# KiCad board tklc_v1_rgb_LP.kicad_pcb (continued)
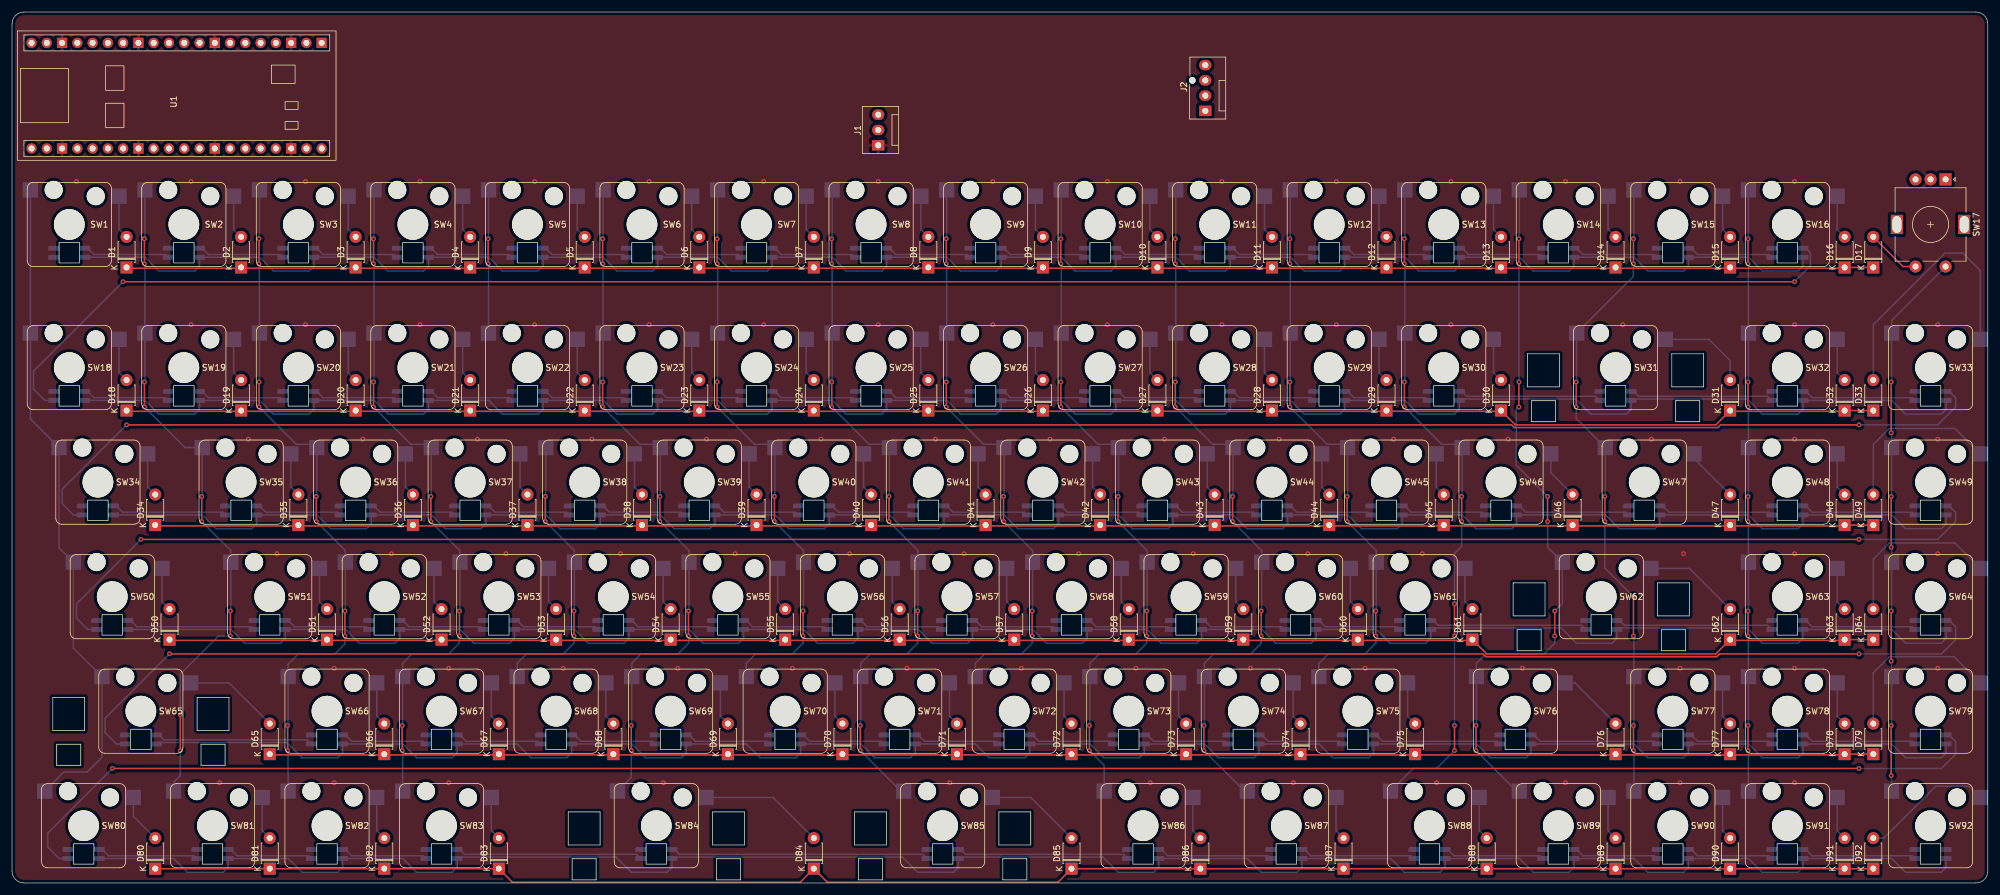
[diagram p0: board, top side]
## Routing (per net, layer and track width the routed paths; a pad name or vN(x,y) marks a point on that pad's centre or on a via; arc(x,y) is an arc through that point) (continued)
Net-(D92-Pad2): length 22.2
  Bottom w0.25: SW92.1 325.49,16.1 319.96,16.1 311.32,7.46 309.56,7.46
Net-(SW1-Pad5): length 14
  Bottom w0.25: 12.58,105.59 13.63,104.54 25.53,104.54 SW2.4
Net-(SW2-Pad5): length 14
  Bottom w0.25: 31.63,105.59 32.68,104.54 44.58,104.54 SW3.4
Net-(SW3-Pad5): length 14
  Bottom w0.25: SW4.4 63.63,104.54 51.73,104.54 50.68,105.59
Net-(SW4-Pad5): length 14
  Bottom w0.25: 69.73,105.59 70.78,104.54 82.68,104.54 SW5.4
Net-(SW5-Pad5): length 14
  Bottom w0.25: SW6.4 101.73,104.54 89.83,104.54 88.78,105.59
Net-(SW6-Pad5): length 14
  Bottom w0.25: 107.83,105.59 108.88,104.54 120.78,104.54 SW7.4
Net-(SW7-Pad5): length 14
  Bottom w0.25: 126.88,105.59 127.93,104.54 139.83,104.54 SW8.4
Net-(SW8-Pad5): length 14
  Bottom w0.25: SW9.4 158.88,104.54 146.98,104.54 145.93,105.59
Net-(SW10-Pad4): length 14
  Bottom w0.25: 164.98,105.59 166.03,104.54 177.93,104.54 SW10.4
Net-(SW10-Pad5): length 14
  Bottom w0.25: 184.03,105.59 185.08,104.54 196.98,104.54 SW11.4
Net-(SW11-Pad5): length 14
  Bottom w0.25: 203.08,105.59 204.13,104.54 216.03,104.54 SW12.4
Net-(SW12-Pad5): length 14
  Bottom w0.25: SW13.4 235.08,104.54 223.18,104.54 222.13,105.59
Net-(SW13-Pad5): length 14
  Bottom w0.25: SW14.4 254.13,104.54 242.23,104.54 241.18,105.59
Net-(SW14-Pad5): length 14
  Bottom w0.25: SW15.4 273.18,104.54 261.28,104.54 260.23,105.59
Net-(SW15-Pad5): length 14
  Bottom w0.25: SW16.4 292.23,104.54 280.33,104.54 279.28,105.59
Net-(SW16-Pad5): length 313.1
  Top w0.25: v1(18.45,100.01) v1(296.47,100.01)
  Bottom w0.25: 298.37,105.59 299.1,104.85 299.1,102.65 v1(296.47,100.01) ; SW18.4 5.45,80.28 3.57,82.15 3.57,85.13 v1(18.45,100.01)
Net-(SW18-Pad5): length 14
  Bottom w0.25: SW19.4 25.53,80.72 13.63,80.72 12.58,81.78
Net-(SW19-Pad5): length 14
  Bottom w0.25: 31.63,81.78 32.68,80.72 44.58,80.72 SW20.4
Net-(SW20-Pad5): length 14
  Bottom w0.25: 50.68,81.78 51.73,80.72 63.63,80.72 SW21.4
Net-(SW21-Pad5): length 14
  Bottom w0.25: 69.73,81.78 70.78,80.72 82.68,80.72 SW22.4
Net-(SW22-Pad5): length 14
  Bottom w0.25: SW23.4 101.73,80.72 89.83,80.72 88.78,81.78
Net-(SW23-Pad5): length 14
  Bottom w0.25: 107.83,81.78 108.88,80.72 120.78,80.72 SW24.4
Net-(SW24-Pad5): length 14
  Bottom w0.25: SW25.4 139.83,80.72 127.93,80.72 126.88,81.78
Net-(SW25-Pad5): length 14
  Bottom w0.25: 145.93,81.78 146.98,80.72 158.88,80.72 SW26.4
Net-(SW26-Pad5): length 14
  Bottom w0.25: 164.98,81.78 166.03,80.72 177.93,80.72 SW27.4
Net-(SW27-Pad5): length 14
  Bottom w0.25: 184.03,81.78 185.08,80.72 196.98,80.72 SW28.4
Net-(SW28-Pad5): length 14
  Bottom w0.25: 203.08,81.78 204.13,80.72 216.03,80.72 SW29.4
Net-(SW29-Pad5): length 14
  Bottom w0.25: 222.13,81.78 223.18,80.72 235.08,80.72 SW30.4
Net-(SW30-Pad5): length 24
  Bottom w0.25: SW30.5 241.14,81.78 241.95,80.96 263.41,80.96 SW31.4
Net-(SW31-Pad5): length 24
  Bottom w0.25: SW31.5 269.71,81.78 270.52,80.96 291.99,80.96 SW32.4
Net-(SW32-Pad5): length 18.8
  Bottom w0.25: SW33.4 316.04,80.72 299.38,80.72 298.33,81.78
Net-(SW33-Pad5): length 330.5
  Top w0.25: v1(19.05,76.2) 249.4,76.2 249.85,75.75 283.71,75.75 284.16,76.2 v1(307.18,76.2)
  Bottom w0.25: v1(19.05,76.2) 8.33,65.48 8.33,63.1 10.21,61.23 SW34.4 ; 322.18,81.78 323.26,80.7 323.26,79.18 320.28,76.2 v1(307.18,76.2)
Net-(SW34-Pad5): length 18.8
  Bottom w0.25: SW35.4 35.05,61.67 18.4,61.67 17.35,62.73
Net-(SW35-Pad5): length 14
  Bottom w0.25: 41.16,62.73 42.21,61.67 54.1,61.67 SW36.4
Net-(SW36-Pad5): length 14
  Bottom w0.25: SW37.4 73.15,61.67 61.26,61.67 60.21,62.73
Net-(SW37-Pad5): length 14
  Bottom w0.25: 79.26,62.73 80.31,61.67 92.2,61.67 SW38.4
Net-(SW38-Pad5): length 14
  Bottom w0.25: 98.31,62.73 99.36,61.67 111.25,61.67 SW39.4
Net-(SW39-Pad5): length 14
  Bottom w0.25: SW40.4 130.3,61.67 118.41,61.67 117.36,62.73
Net-(SW40-Pad5): length 14
  Bottom w0.25: 136.41,62.73 137.46,61.67 149.35,61.67 SW41.4
Net-(SW41-Pad5): length 14
  Bottom w0.25: SW42.4 168.4,61.67 156.51,61.67 155.46,62.73
Net-(SW42-Pad5): length 14
  Bottom w0.25: SW43.4 187.45,61.67 175.56,61.67 174.51,62.73
Net-(SW43-Pad5): length 14
  Bottom w0.25: SW44.4 206.5,61.67 194.61,61.67 193.56,62.73
Net-(SW44-Pad5): length 14
  Bottom w0.25: 212.61,62.73 213.66,61.67 225.55,61.67 SW45.4
Net-(SW45-Pad5): length 14
  Bottom w0.25: 231.66,62.73 232.71,61.67 244.6,61.67 SW46.4
Net-(SW46-Pad5): length 18.8
  Bottom w0.25: SW47.4 268.41,61.67 251.76,61.67 250.71,62.73
Net-(SW47-Pad5): length 18.8
  Bottom w0.25: 274.52,62.73 275.57,61.67 292.23,61.67 SW48.4
Net-(SW48-Pad5): length 18.8
  Bottom w0.25: SW49.4 316.04,61.67 299.38,61.67 298.33,62.73
Net-(SW49-Pad5): length 327.8
  Top w0.25: v1(307.18,57.15) v1(21.43,57.15)
  Bottom w0.25: v1(307.18,57.15) 320.28,57.15 323.26,60.13 323.26,61.65 322.18,62.73 ; v1(21.43,57.15) 10.72,46.43 10.72,44.05 12.59,42.18 SW50.4
Net-(SW50-Pad5): length 21.6
  Bottom w0.25: SW51.4 39.81,42.62 20.78,42.62 19.73,43.68 19.27,43.68
Net-(SW51-Pad5): length 14.5
  Bottom w0.25: SW51.5 45.92,43.68 46.97,42.62 58.86,42.62 SW52.4
Net-(SW52-Pad5): length 14.5
  Bottom w0.25: SW53.4 77.91,42.62 66.02,42.62 64.97,43.68 SW52.5
Net-(SW53-Pad5): length 14.5
  Bottom w0.25: SW54.4 96.96,42.62 85.07,42.62 84.02,43.68 SW53.5
Net-(SW54-Pad5): length 14.5
  Bottom w0.25: SW54.5 103.07,43.68 104.12,42.62 116.01,42.62 SW55.4
Net-(SW55-Pad5): length 14.5
  Bottom w0.25: SW56.4 135.06,42.62 123.17,42.62 122.12,43.68 SW55.5
Net-(SW56-Pad5): length 14.5
  Bottom w0.25: SW56.5 141.17,43.68 142.22,42.62 154.11,42.62 SW57.4
Net-(SW57-Pad5): length 14.5
  Bottom w0.25: SW58.4 173.16,42.62 161.27,42.62 160.22,43.68 SW57.5
Net-(SW58-Pad5): length 14.5
  Bottom w0.25: SW59.4 192.21,42.62 180.32,42.62 179.27,43.68 SW58.5
Net-(SW59-Pad5): length 14.5
  Bottom w0.25: SW59.5 198.32,43.68 199.37,42.62 211.26,42.62 SW60.4
Net-(SW60-Pad5): length 14.5
  Bottom w0.25: SW60.5 217.37,43.68 218.42,42.62 230.31,42.62 SW61.4
Net-(SW61-Pad5): length 26.4
  Bottom w0.25: SW62.4 261.03,42.86 237.19,42.86 236.37,43.68 SW61.5
Net-(SW62-Pad5): length 26.4
  Bottom w0.25: SW63.4 291.99,42.86 268.14,42.86 267.33,43.68 SW62.5
Net-(SW63-Pad5): length 19.2
  Bottom w0.25: SW64.4 316.04,42.62 299.38,42.62 298.33,43.68 SW63.5
Net-(SW64-Pad5): length 323.8
  Top w0.25: v1(307.18,38.1) 284,38.1 283.55,37.65 245.08,37.65 244.63,38.1 26.22,38.1 v1(26.19,38.13)
  Bottom w0.25: v1(26.19,38.13) 26.19,38.1 15.48,27.38 15.48,25 17.36,23.13 SW65.4 ; 322.18,43.68 323.26,42.6 323.26,40.48 320.87,38.1 v1(307.18,38.1)
Net-(SW65-Pad5): length 26.4
  Bottom w0.25: SW66.4 49.1,23.81 25.26,23.81 24.44,24.63 SW65.5
Net-(SW66-Pad5): length 14.5
  Bottom w0.25: SW67.4 68.39,23.57 56.5,23.57 55.45,24.63 SW66.5
Net-(SW67-Pad5): length 14.5
  Bottom w0.25: SW68.4 87.44,23.57 75.55,23.57 74.5,24.63 SW67.5
Net-(SW68-Pad5): length 14.5
  Bottom w0.25: SW69.4 106.49,23.57 94.6,23.57 93.55,24.63 SW68.5
Net-(SW69-Pad5): length 14.5
  Bottom w0.25: SW70.4 125.54,23.57 113.65,23.57 112.6,24.63 SW69.5
Net-(SW70-Pad5): length 14.5
  Bottom w0.25: SW71.4 144.59,23.57 132.7,23.57 131.65,24.63 SW70.5
Net-(SW71-Pad5): length 14.5
  Bottom w0.25: SW71.5 150.7,24.63 151.75,23.57 163.64,23.57 SW72.4
Net-(SW72-Pad5): length 14.5
  Bottom w0.25: SW73.4 182.69,23.57 170.8,23.57 169.75,24.63 SW72.5
Net-(SW73-Pad5): length 14.5
  Bottom w0.25: SW73.5 188.8,24.63 189.85,23.57 201.74,23.57 SW74.4
Net-(SW74-Pad5): length 14.5
  Bottom w0.25: SW75.4 220.79,23.57 208.9,23.57 207.85,24.63 SW74.5
Net-(SW75-Pad5): length 21.6
  Bottom w0.25: SW76.4 246.98,23.57 227.95,23.57 226.9,24.63 SW75.5
Net-(SW76-Pad5): length 21.6
  Bottom w0.25: SW77.4 273.18,23.57 254.14,23.57 253.09,24.63 SW76.5
Net-(SW77-Pad5): length 14.5
  Bottom w0.25: SW77.5 279.28,24.63 280.33,23.57 292.23,23.57 SW78.4
Net-(SW78-Pad5): length 19.2
  Bottom w0.25: SW79.4 316.04,23.57 299.38,23.57 298.33,24.63 SW78.5
Net-(SW79-Pad5): length 332.9
  Top w0.25: v1(307.18,19.05) v1(16.67,19.05)
  Bottom w0.25: v1(16.67,19.05) 5.95,8.33 5.95,5.95 7.83,4.08 SW80.4 ; 322.15,24.63 323.26,23.52 323.26,21.42 320.88,19.05 v1(307.18,19.05)
Net-(SW80-Pad5): length 16.9
  Bottom w0.25: SW80.5 14.97,5.58 16.02,4.52 30.29,4.52 SW81.4
Net-(SW81-Pad5): length 14.5
  Bottom w0.25: SW81.5 36.4,5.58 37.45,4.52 49.34,4.52 SW82.4
Net-(SW82-Pad5): length 14.5
  Bottom w0.25: SW82.5 55.45,5.58 56.5,4.52 68.39,4.52 SW83.4
Net-(SW83-Pad5): length 31
  Bottom w0.25: 74.18,5.58 74.45,5.58 75.26,4.76 103.87,4.76 SW84.4
Net-(SW84-Pad5): length 43
  Bottom w0.25: SW85.4 151.49,4.76 110.98,4.76 110.17,5.58 SW84.5
Net-(SW85-Pad5): length 28.8
  Bottom w0.25: SW85.5 157.79,5.58 158.61,4.76 184.83,4.76 SW86.4
Net-(SW86-Pad5): length 19.2
  Bottom w0.25: SW87.4 208.88,4.52 192.23,4.52 191.18,5.58 SW86.5
Net-(SW87-Pad5): length 19.2
  Bottom w0.25: SW87.5 214.99,5.58 216.04,4.52 232.69,4.52 SW88.4
Net-(SW88-Pad5): length 16.9
  Bottom w0.25: SW89.4 254.13,4.52 239.85,4.52 238.8,5.58 SW88.5
Net-(SW89-Pad5): length 14.5
  Bottom w0.25: SW90.4 273.18,4.52 261.28,4.52 260.23,5.58 SW89.5
Net-(SW90-Pad5): length 14.5
  Bottom w0.25: SW90.5 279.28,5.58 280.33,4.52 292.23,4.52 SW91.4
Net-(SW91-Pad5): length 19.2
  Bottom w0.25: SW92.4 316.04,4.52 299.38,4.52 298.33,5.58 SW91.5

## Copper pours and planes (outline as drawn; the poured copper is in the pictures)
GND on Top: 329.21,144.66 329.61,0 328.61,-1 0,-1 -1,0 -0.6,144.66 0.6,145.85 328.02,145.85
GND on Bottom: 329.21,144.66 329.61,0 328.61,-1 0,-1 -1,0 -0.6,144.66 0.6,145.85 328.02,145.85
